# Altium PCB HYDRA_V3_NAV_CRIPPLED_V2.PcbDoc (part 1 of 2)
Units mm, origin at the board's own origin, x right, y up, seen from the top; angles counter-clockwise.
Board outline 50 x 45 mm, 6 copper layers (Top Layer, GND 1, INT_SIG, GND 2, PWR, Bottom Layer), stack 0.816 mm thick; 171 components, 106 nets, 675 pads, 267 vias.
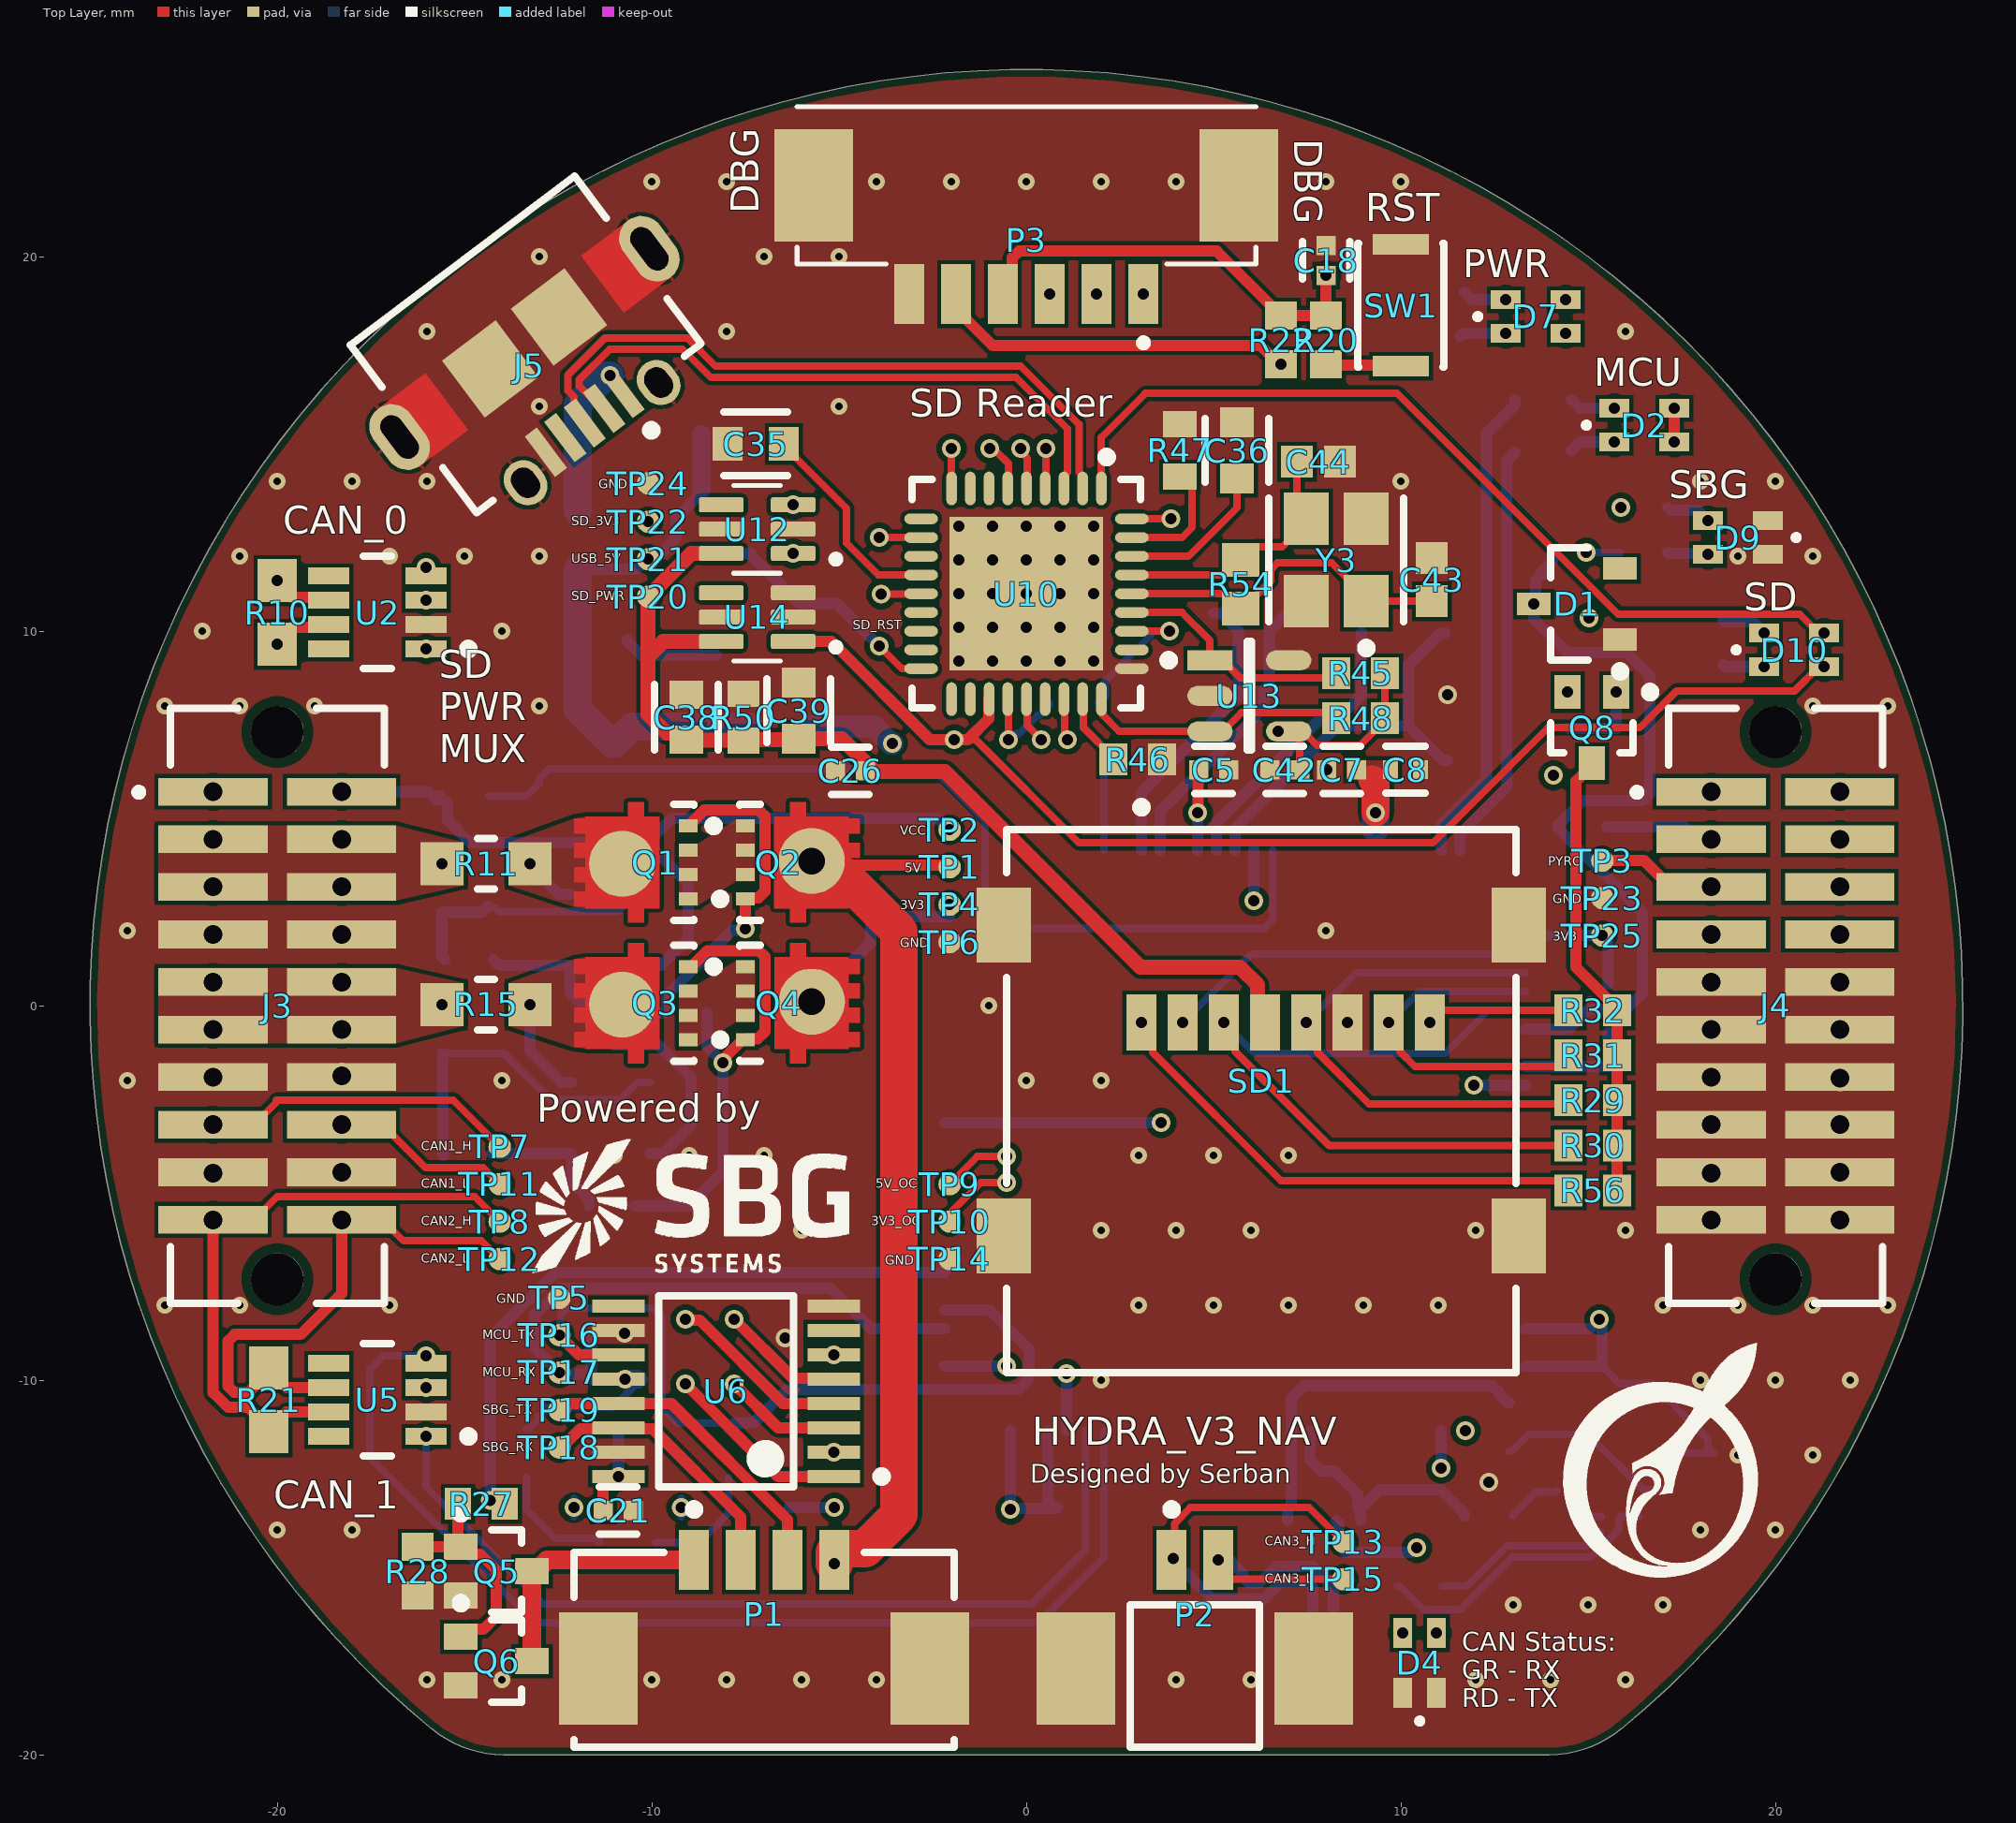
[diagram p0: Top Layer view]
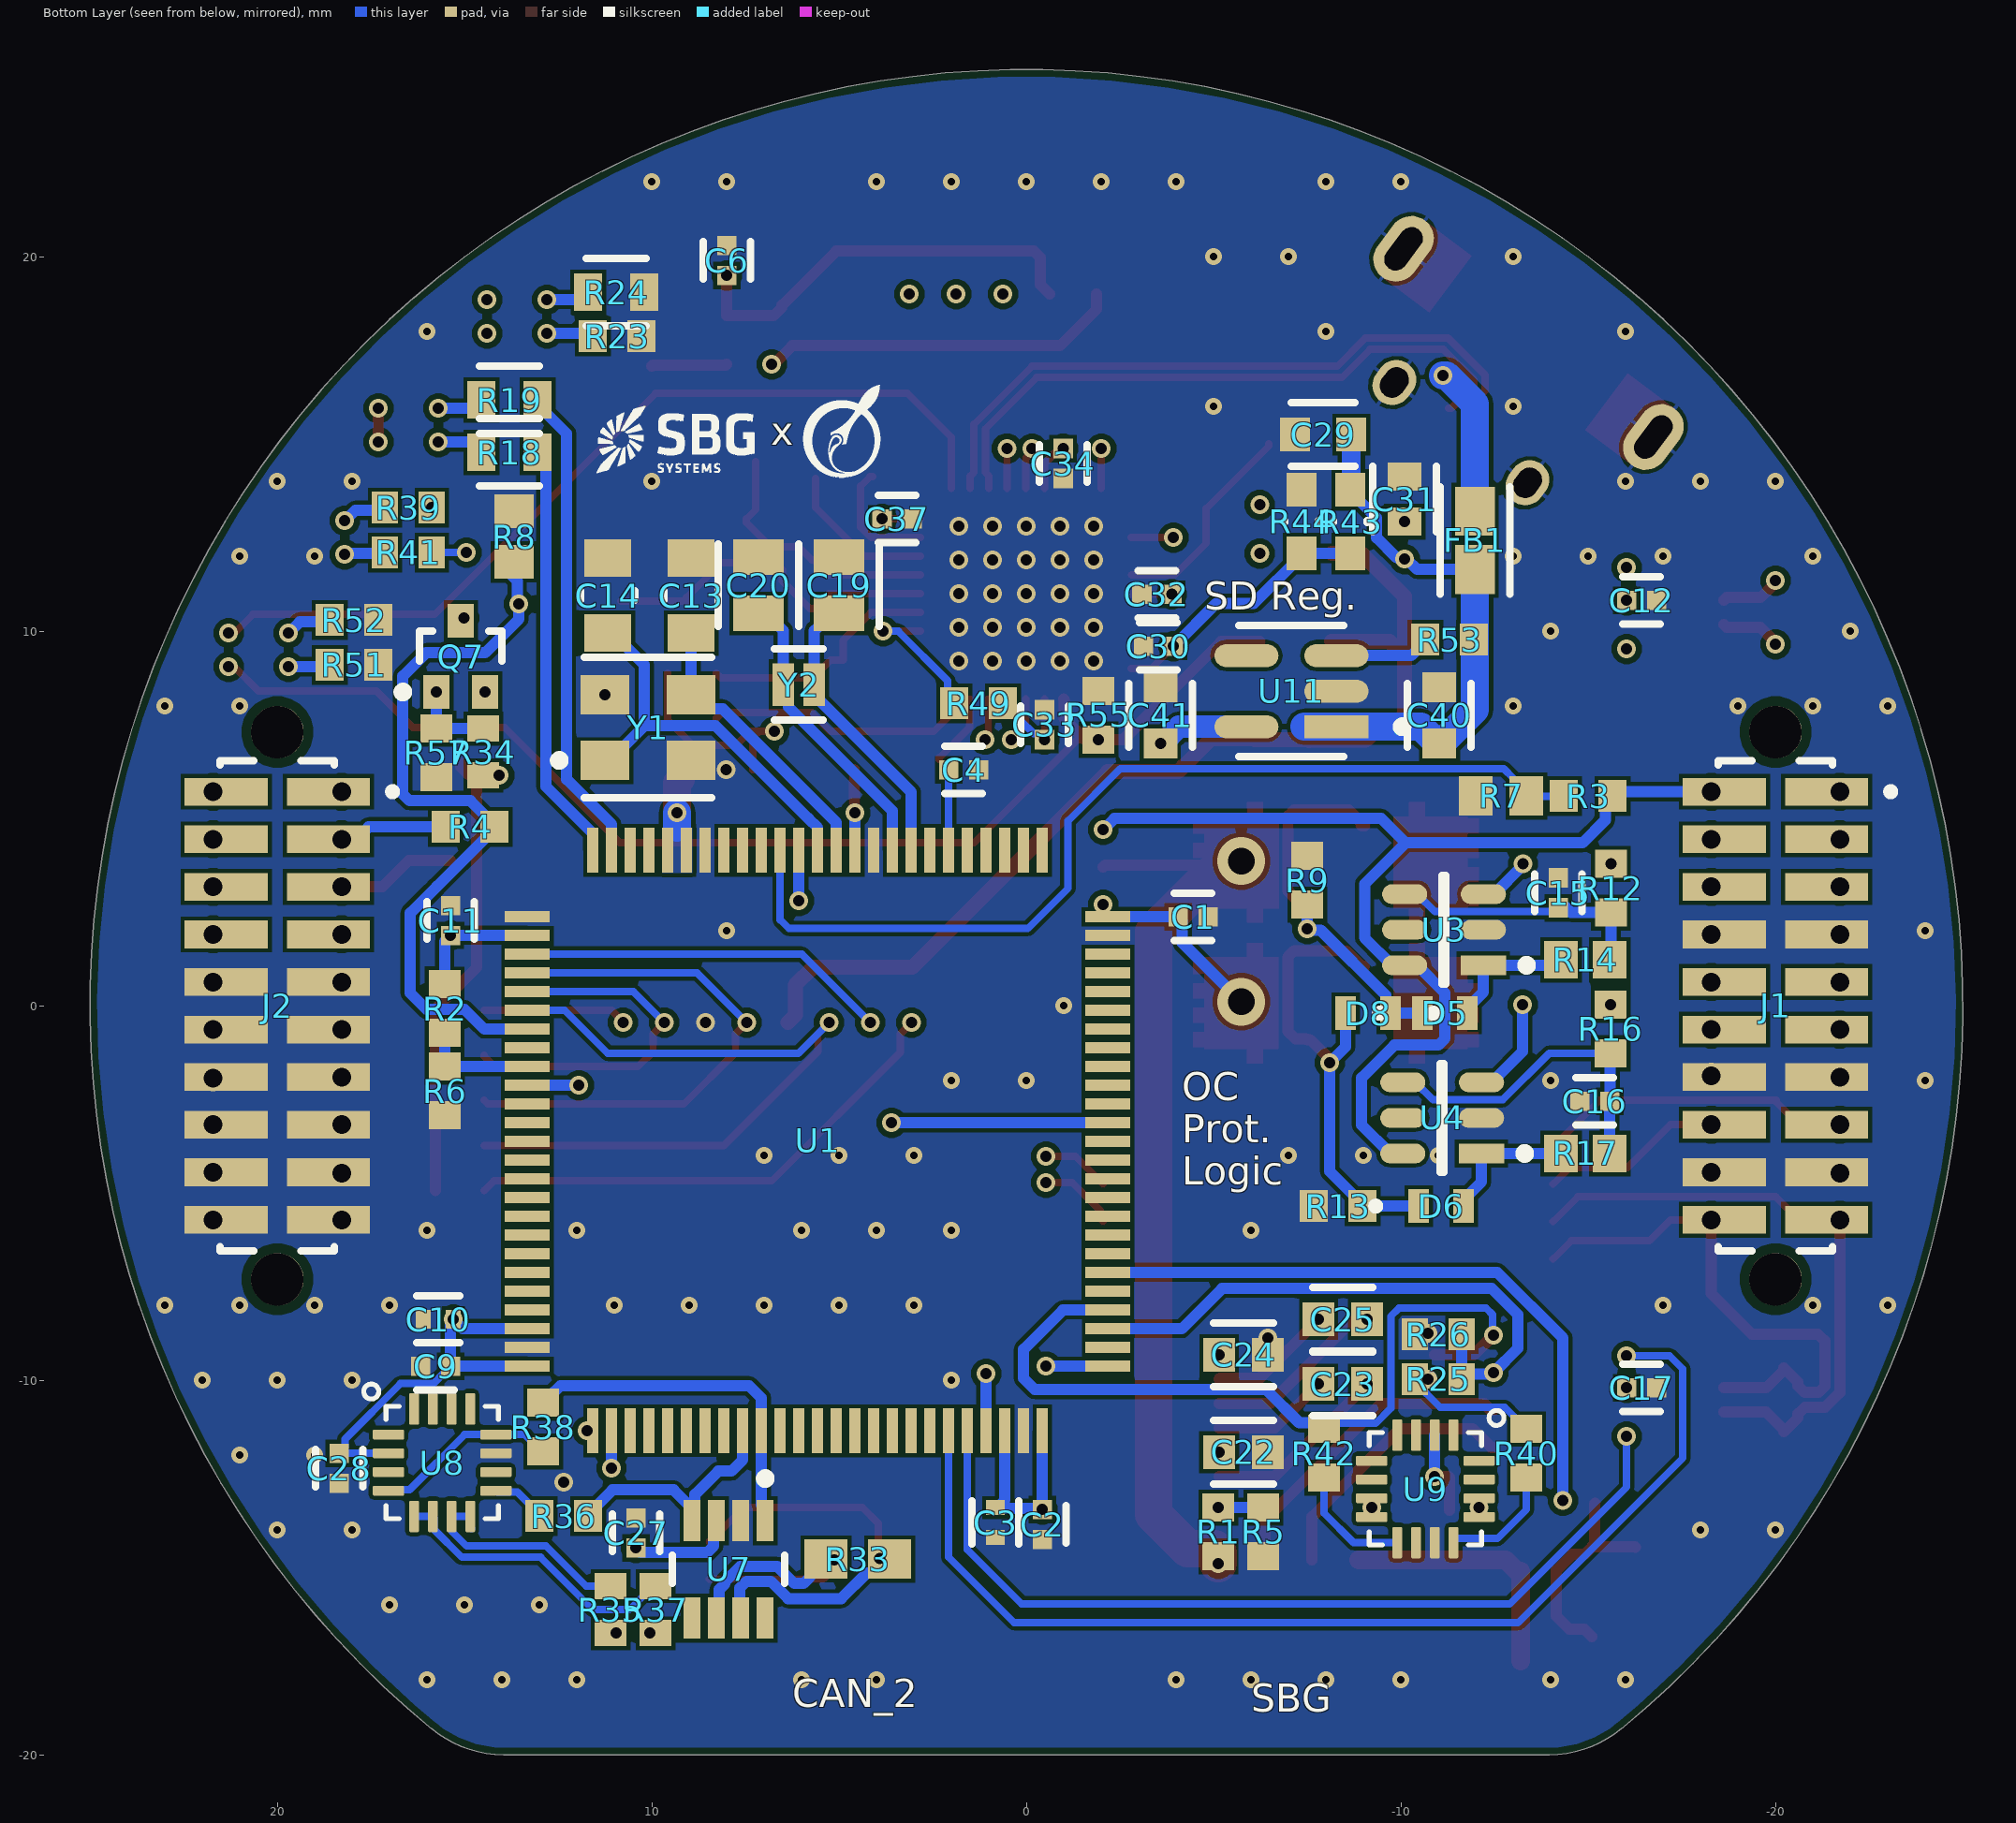
[diagram p1: Bottom Layer view, seen from below]
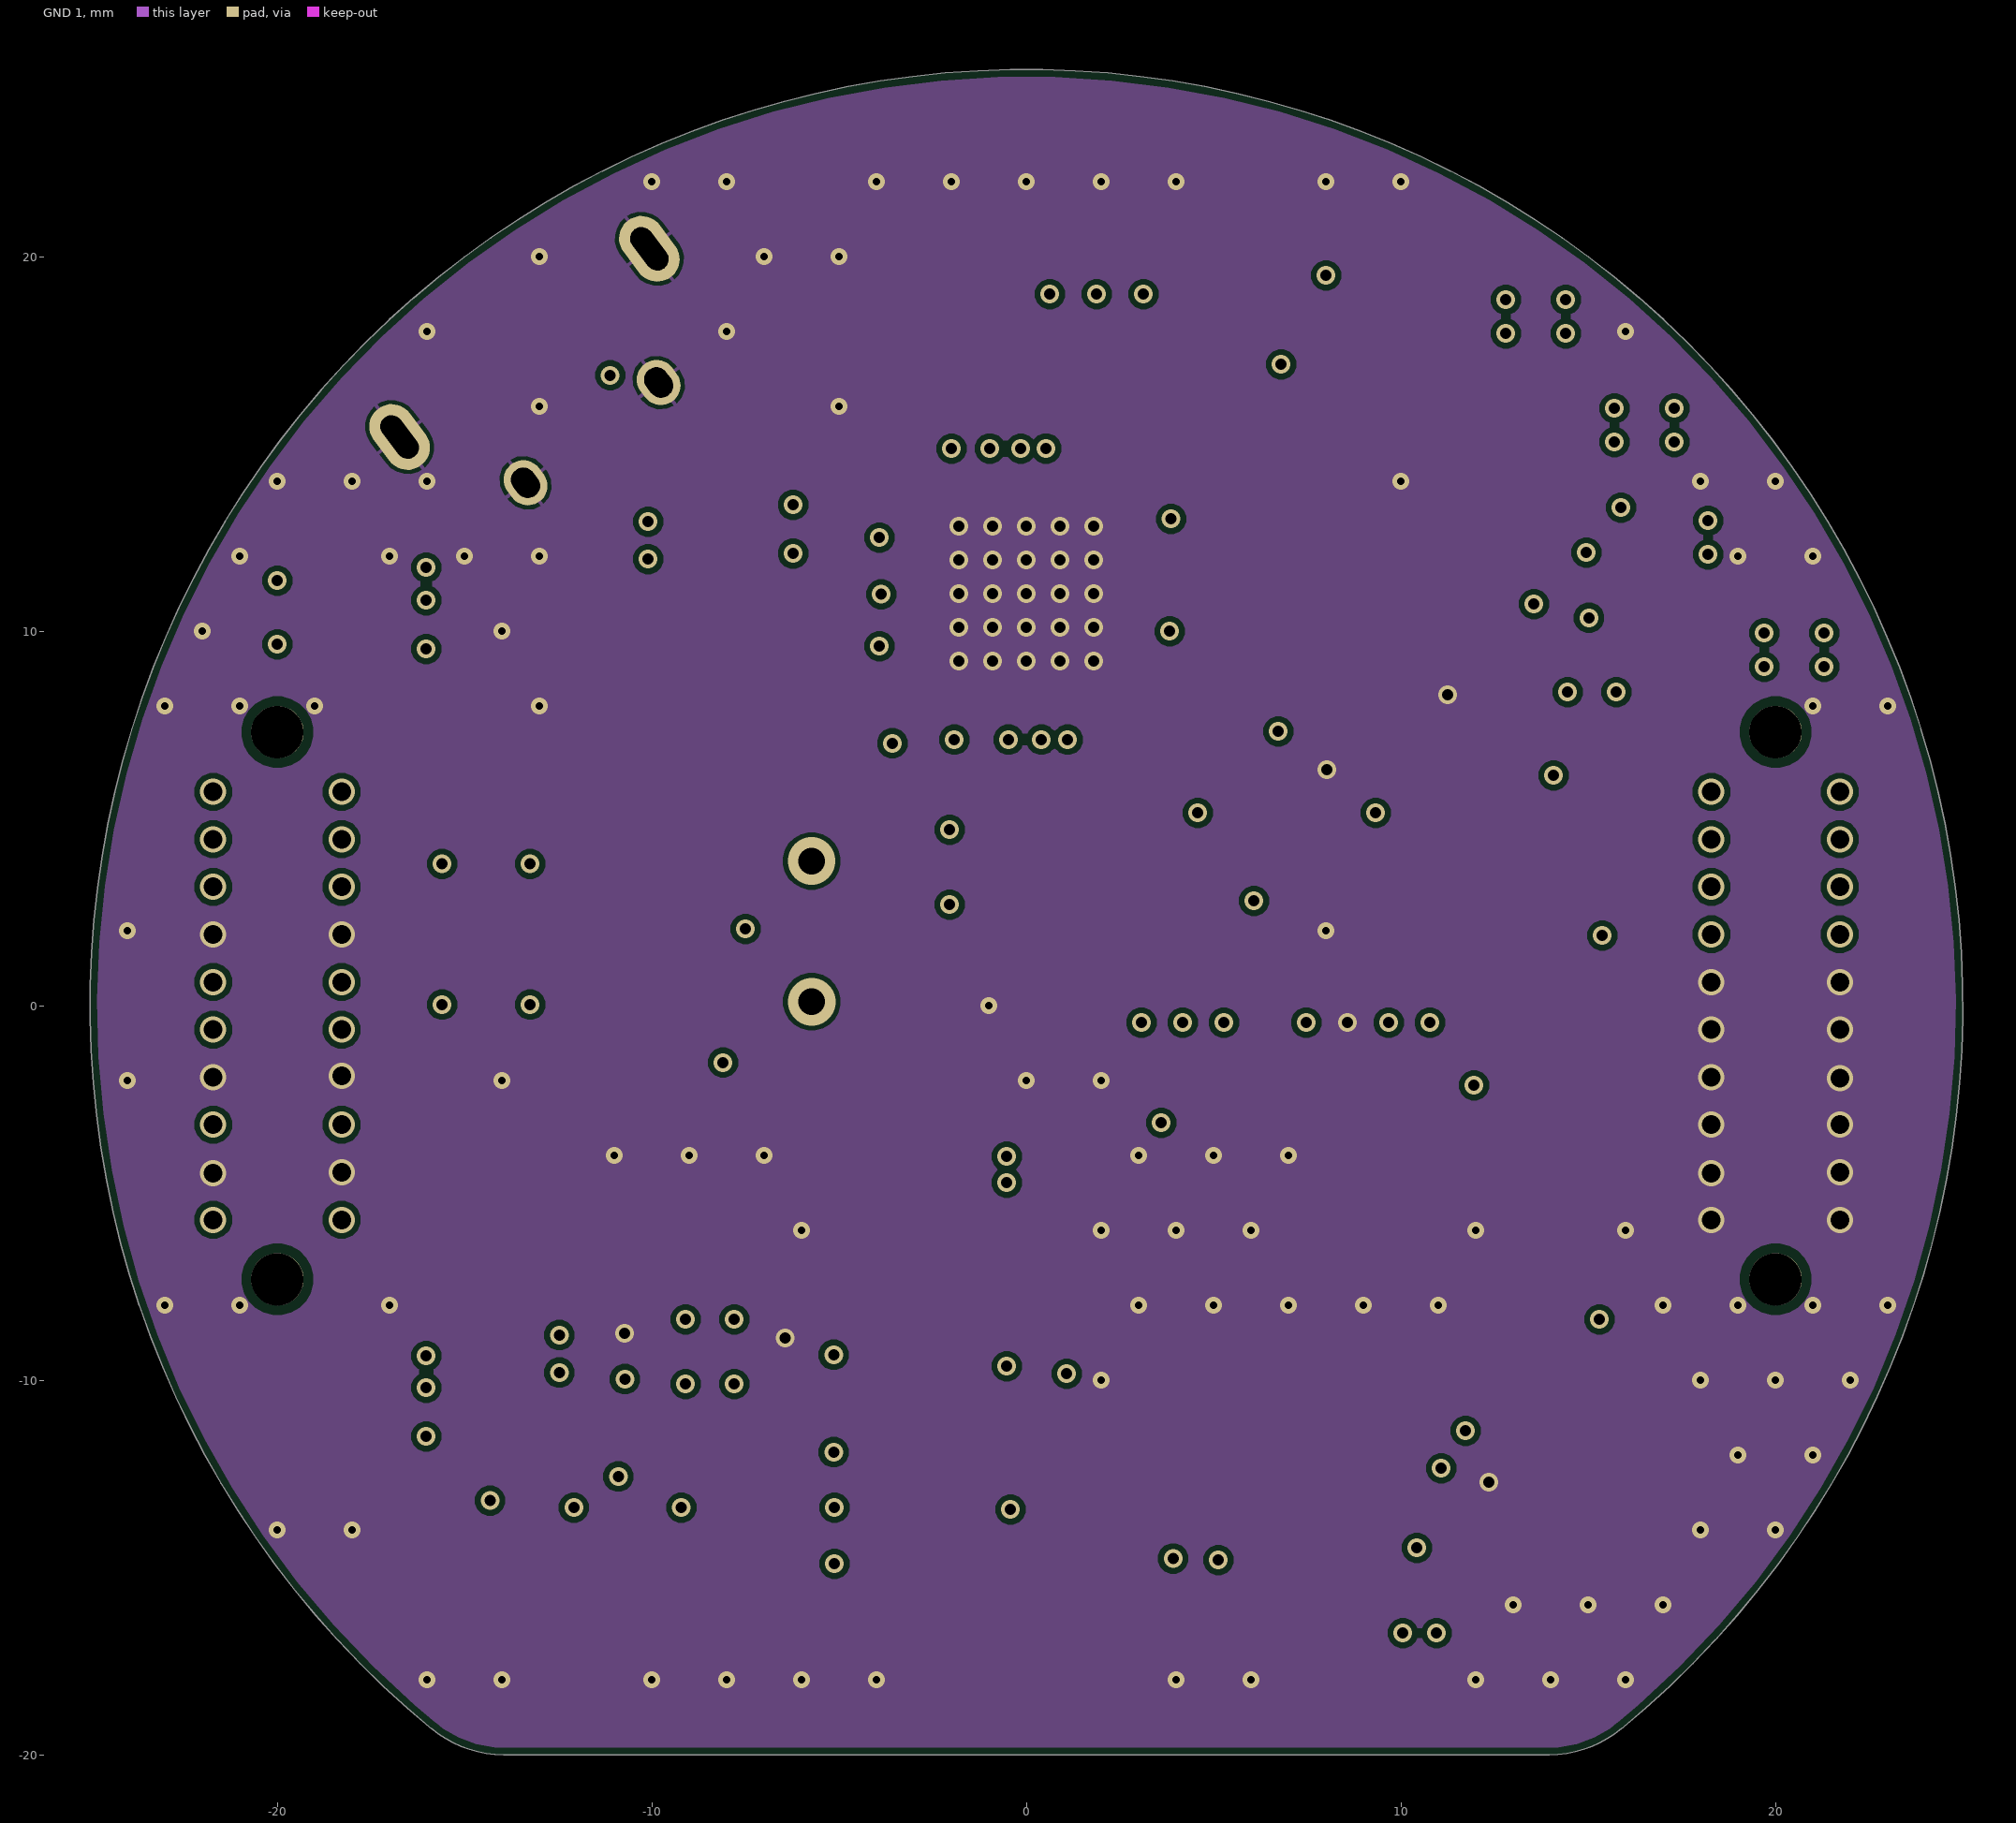
[diagram p2: GND 1]